# Altium PCB 2m_DBoard_RX.PcbDoc (part 1 of 3) (continued)
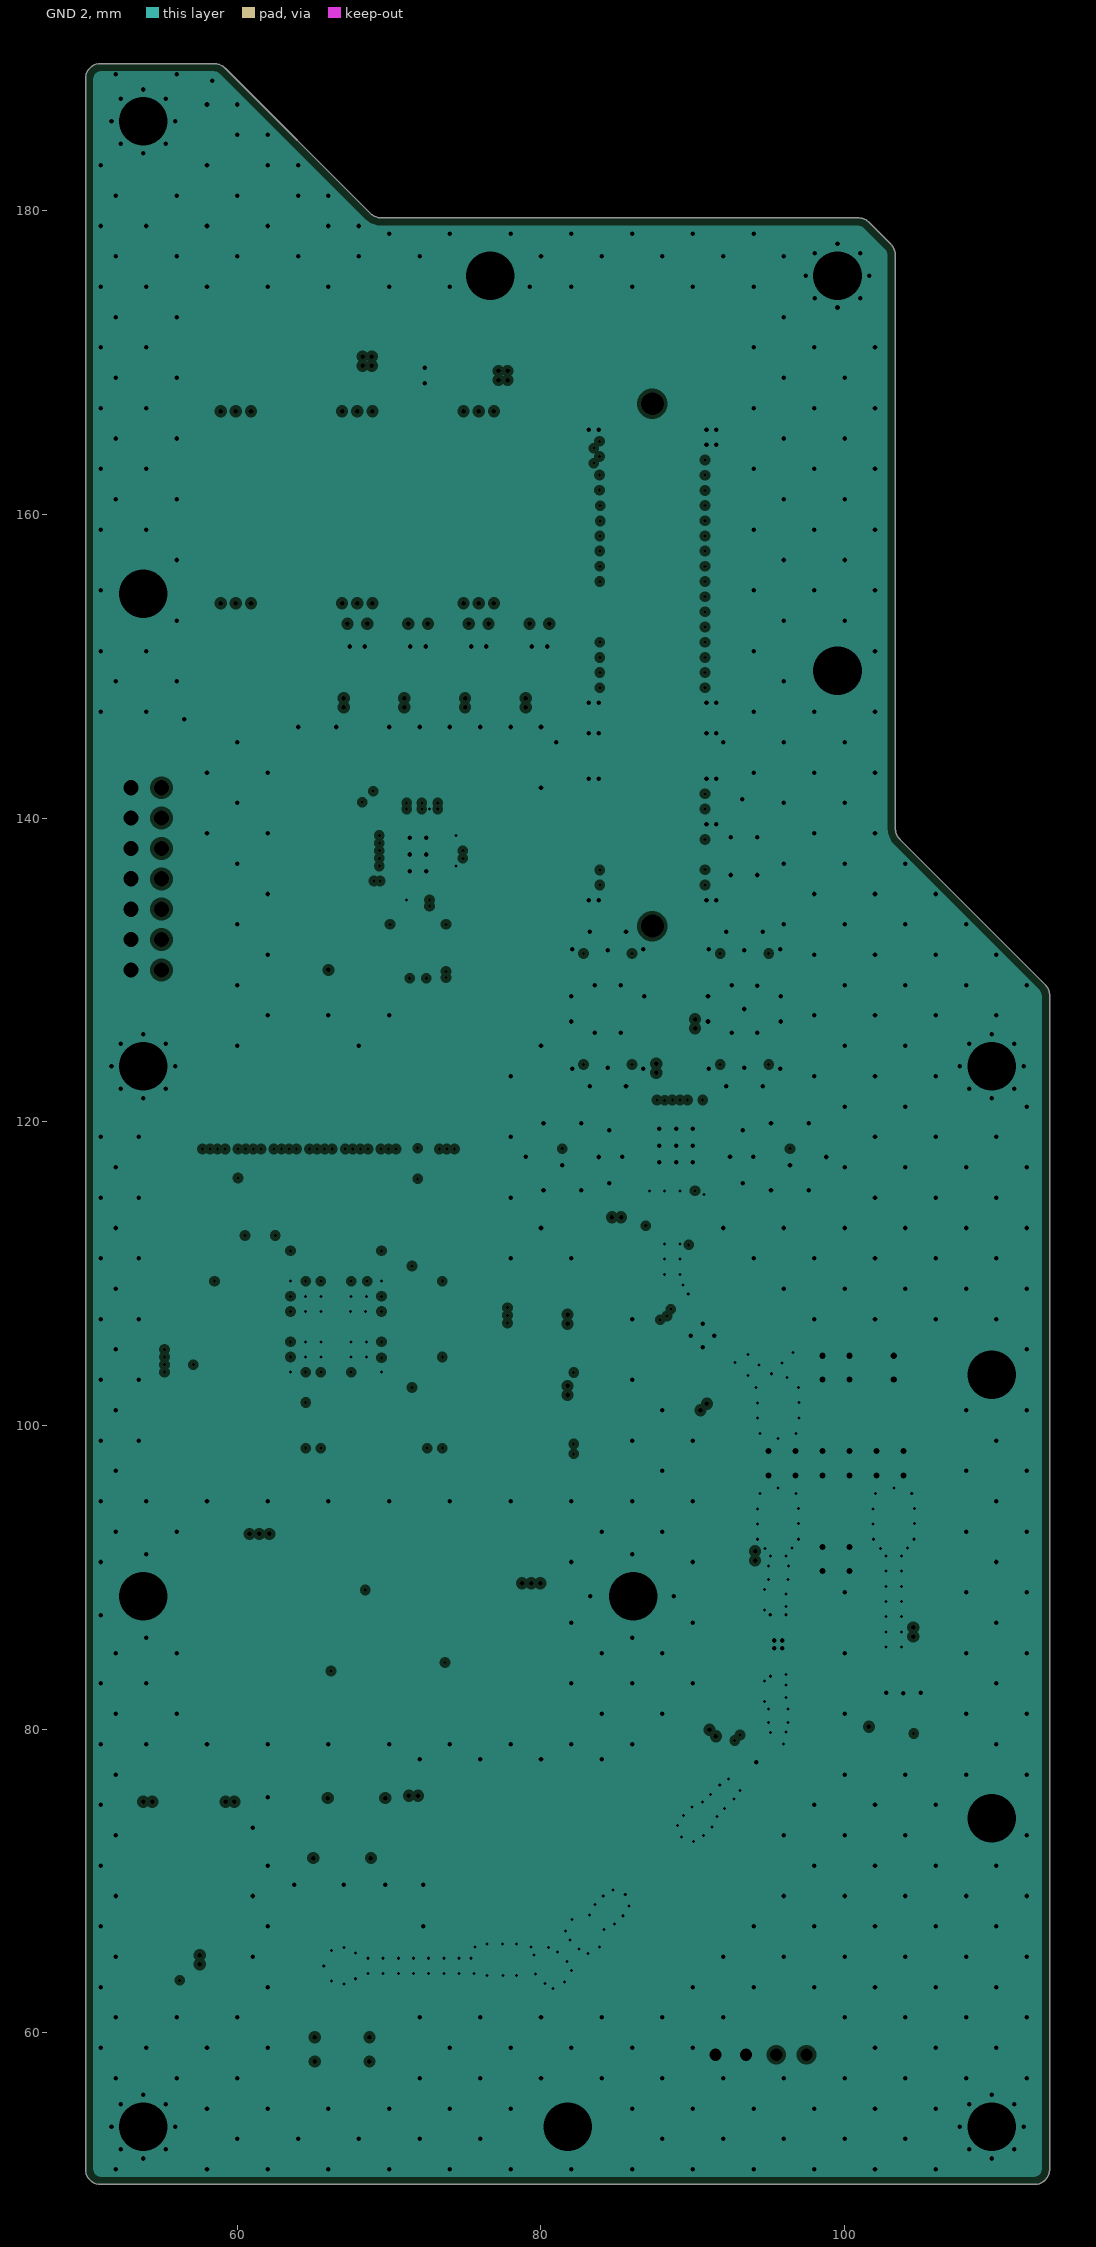
[diagram p5: GND 2, clearances drawn from the general rule]
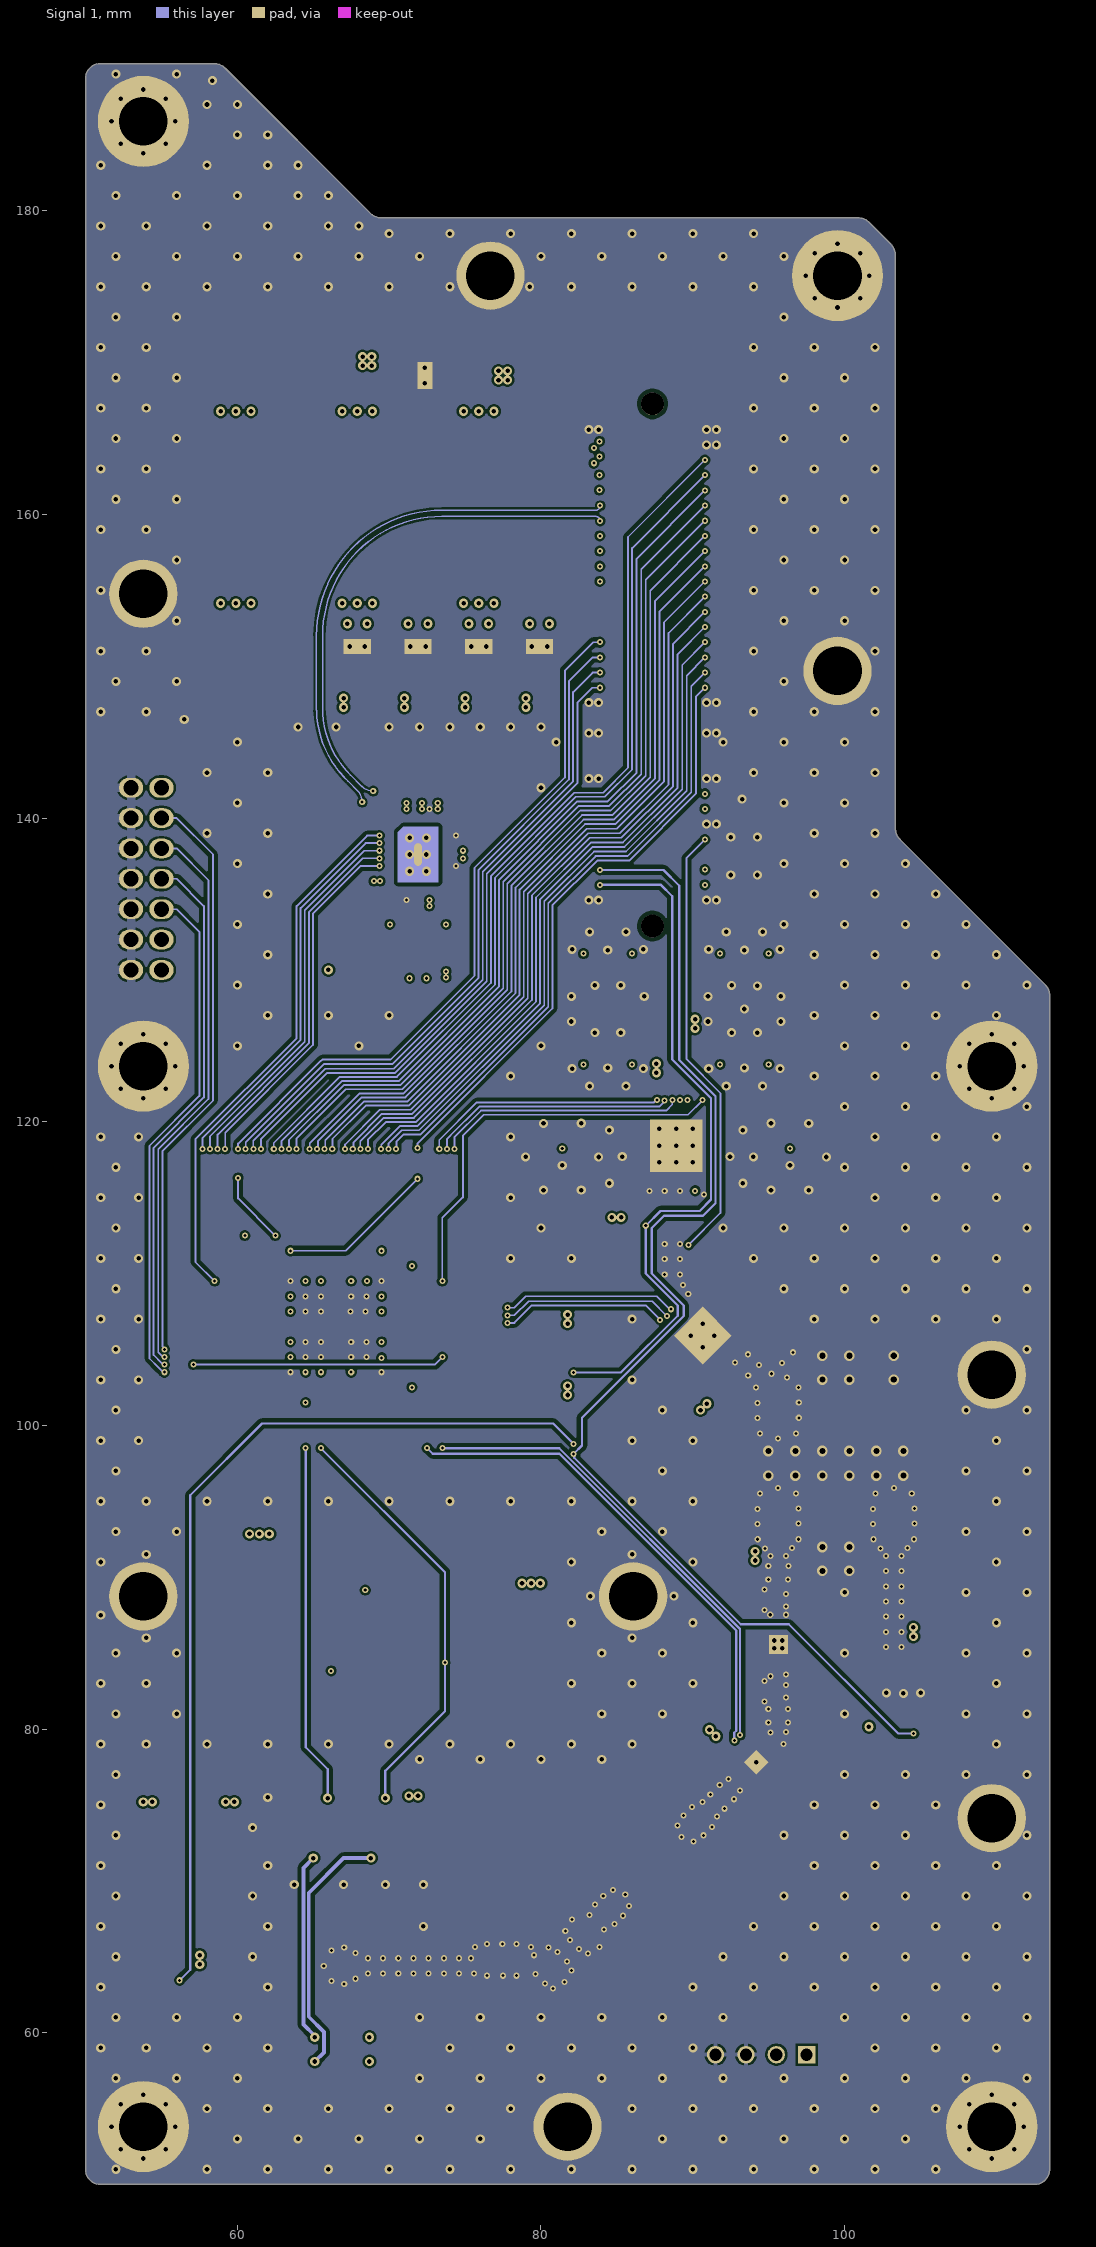
[diagram p6: Signal 1]
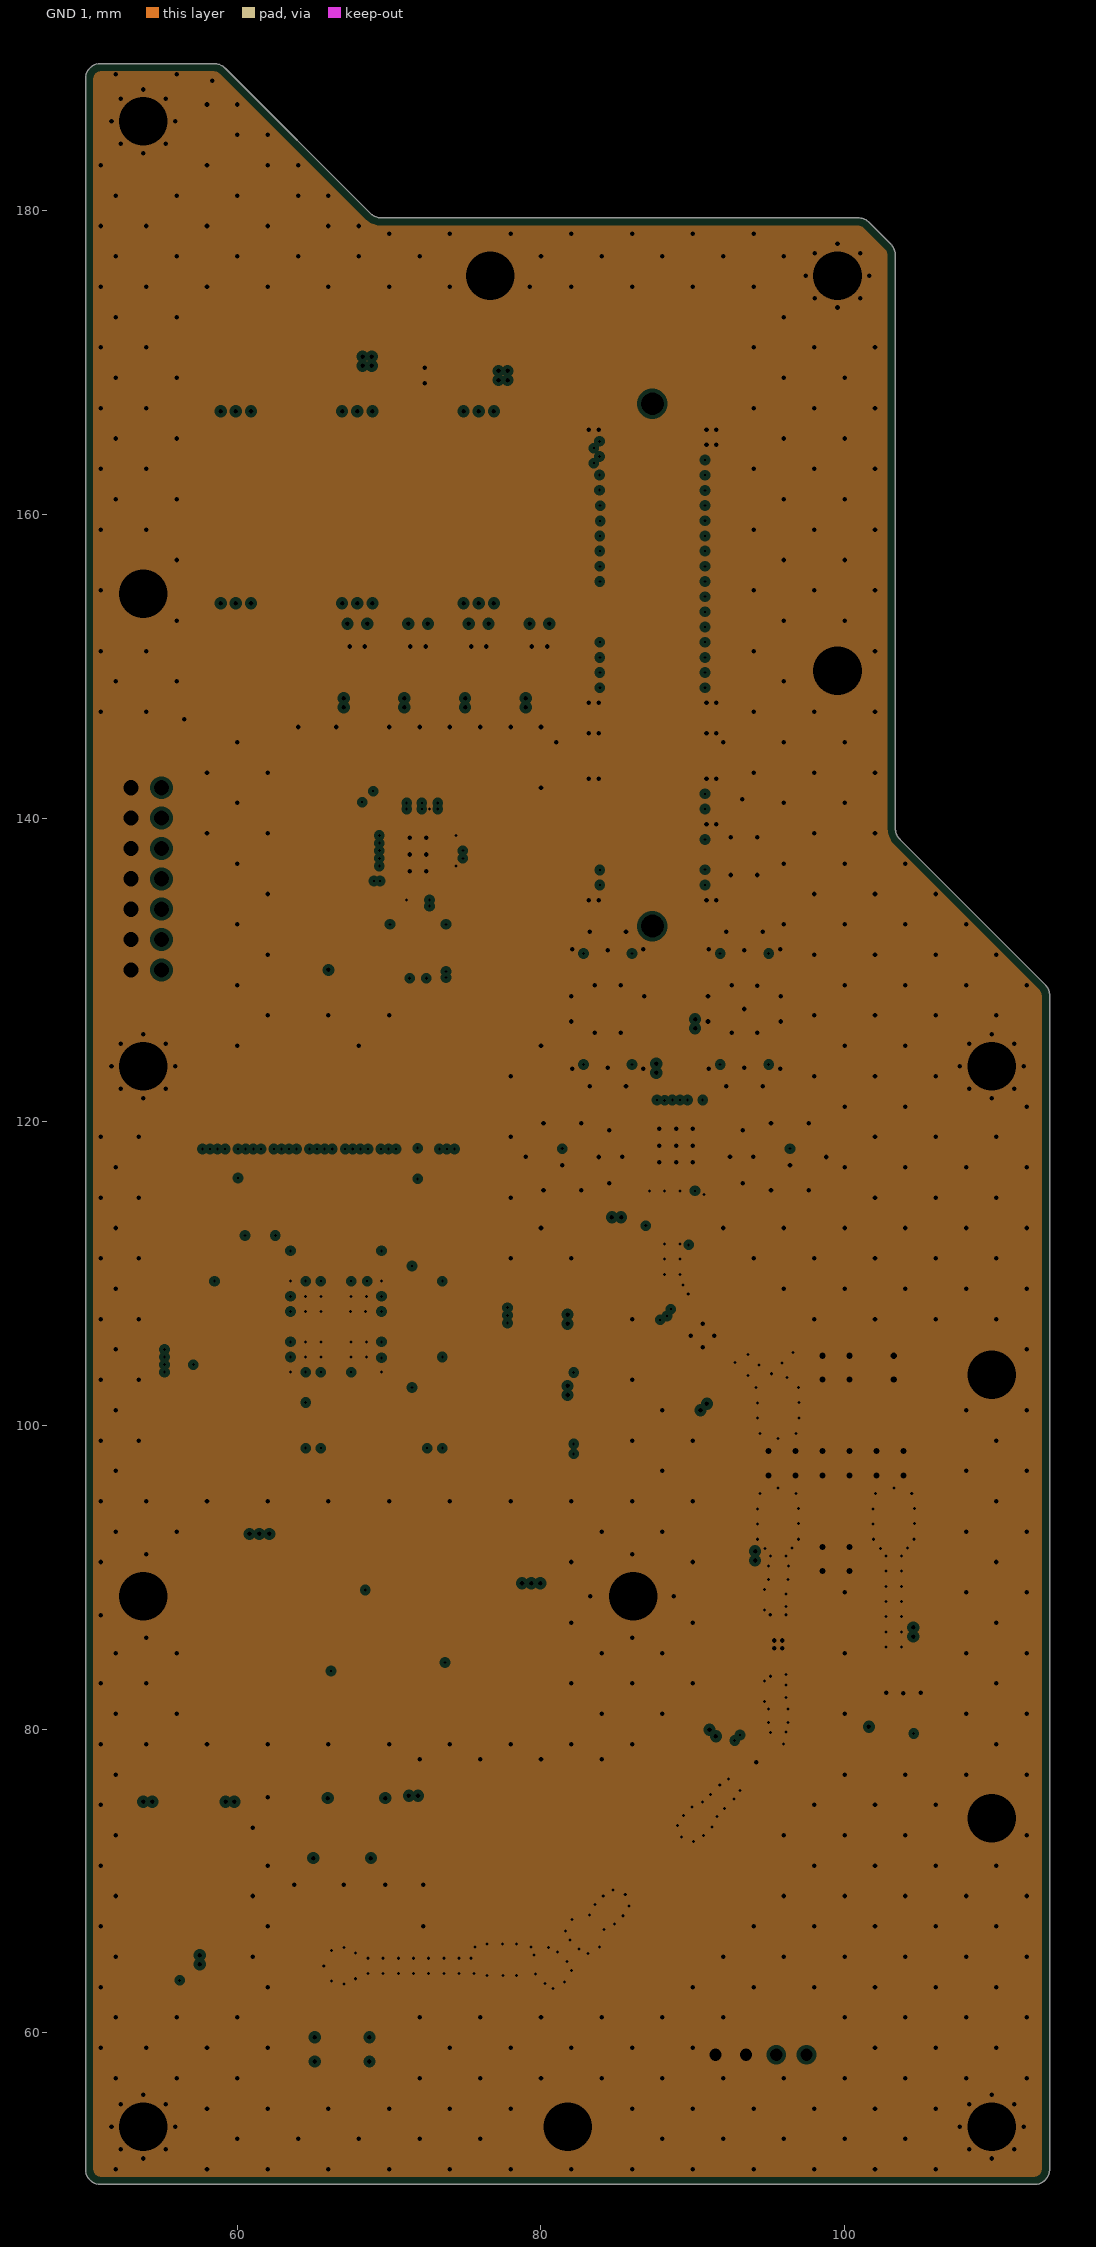
[diagram p7: GND 1, clearances drawn from the general rule]

## Layer stack, top to bottom
Top Solder: solder mask 0.0254, SM-003, Dk 4
Top RF: signal copper 0.018
Dielectric 1: prepreg 0.125, 2116 (Tg170), Dk 5.1
AGND: plane copper 0.018, net GND
Dielectric 2: core 0.3, FR-4 (Tg170), Dk 4.5
AVDD: plane copper 0.018, net (Multiple Nets)
Dielectric 3: prepreg 0.125, 2116 (Tg170), Dk 5.1
DVDD: plane copper 0.018, net (Multiple Nets)
Dielectric 4: core 0.3, FR-4 (Tg170), Dk 4.5
GND 2: plane copper 0.018, net GND
Dielectric 5: prepreg 0.125, 2116 (Tg170), Dk 5.1
Signal 1: signal copper 0.018
Dielectric 6: core 0.3, FR-4 (Tg170), Dk 4.5
GND 1: plane copper 0.018, net GND
Dielectric 7: prepreg 0.125, 2116 (Tg170), Dk 5.1
Bottom Layer: signal copper 0.018
Bottom Solder: solder mask 0.0254, SM-003, Dk 4

## Board outline
51,50 cw(c51,51) 50,51 50,188.7 cw(c51,188.7) 51,189.7 58.455,189.7 cw(c58.455,188.65) 59.197,189.392 68.743,179.848 ccw(c69.485,180.59) 69.485,179.54 100.875,179.54 cw(c100.875,178.49) 101.617,179.232 101.617,179.227 103.033,177.812 cw(c102.29,177.07) 103.34,177.07 103.34,139.335 ccw(c104.39,139.335) 103.647,138.593 113.193,129.047 cw(c112.45,128.305) 113.5,128.305 113.5,51 cw(c112.5,51) 112.5,50

## Design rules (kind name [scope] priority, off if disabled: settings)
Clearance Bottom_diff_pair_100Ohm [OnLayer('Bottom Layer') vs InDifferentialPairClass('Diff_pair_100Ohm_outter')] p1: gap=0.2 ignorepadtopadclearanceinfootprint=FALSE except(0: Arc-Hole Track-Hole SMDPad-Hole THPad-Hole Via-Hole Fill-Hole Poly-Hole Region-Hole Text-Hole; 0.14: Arc-Arc Arc-Track Track-Track; 0.15: Arc-SMDPad Arc-THPad Arc-Via Arc-Text Track-SMDPad Track-THPad Track-Via Track-Text SMDPad-SMDPad SMDPad-THPad SMDPad-Via SMDPad-Text THPad-THPad THPad-Via THPad-Text Via-Via Via-Text Fill-Text Poly-Text Region-Text Text-Text)
Clearance Top_RF_50Ohm [OnLayer('Top RF') vs InNetClass('RF_50Ohm')] p2: gap=0.15 ignorepadtopadclearanceinfootprint=FALSE except(0: Arc-Hole Track-Hole SMDPad-Hole THPad-Hole Via-Hole Fill-Hole Poly-Hole Region-Hole Text-Hole; 0.2: Arc-Fill Arc-Poly Arc-Region Track-Fill Track-Poly Track-Region SMDPad-Fill SMDPad-Poly SMDPad-Region THPad-Fill THPad-Poly THPad-Region Via-Fill Via-Poly Via-Region Fill-Fill Fill-Poly Fill-Region Poly-Poly Poly-Region Region-Region)
Clearance Signal1_diff_pair_100Ohm [OnLayer('Signal 1') vs InDifferentialPairClass('Diff_pair_100Ohm_inner')] p3: gap=0.14 ignorepadtopadclearanceinfootprint=FALSE except(0: Arc-Hole Track-Hole SMDPad-Hole THPad-Hole Via-Hole Fill-Hole Poly-Hole Region-Hole Text-Hole; 0.15: Fill-Text)
Clearance Signal1_50Ohm [OnLayer('Signal 1') vs InNet('GND')] p4: gap=0.15 ignorepadtopadclearanceinfootprint=FALSE except(0: Arc-Hole Track-Hole SMDPad-Hole THPad-Hole Via-Hole Fill-Hole Poly-Hole Region-Hole Text-Hole; 0.25: Arc-Fill Arc-Poly Arc-Region Track-Fill Track-Poly Track-Region SMDPad-Fill SMDPad-Poly SMDPad-Region THPad-Fill THPad-Poly THPad-Region Via-Fill Via-Poly Via-Region Fill-Fill Fill-Poly Fill-Region Poly-Poly Poly-Region Region-Region)
Clearance "POWER to GND" [InNetClass('POWER') vs InNet('GND')] p5: gap=0.15 ignorepadtopadclearanceinfootprint=TRUE
Clearance "POWER to POWER" [InNetClass('POWER') vs InNetClass('POWER')] p6: gap=0.254 ignorepadtopadclearanceinfootprint=TRUE except(0.15: Arc-Arc Arc-Track Arc-SMDPad Arc-THPad Arc-Via Track-Track Track-SMDPad Track-THPad Track-Via)
Clearance Not_Plated_Hole [(PadIsPlated = 'false') and OnMultiLayer] p7: gap=0.25 ignorepadtopadclearanceinfootprint=FALSE except(0: Arc-Hole Track-Hole SMDPad-Hole THPad-Hole Via-Hole Fill-Hole Poly-Hole Region-Hole Text-Hole)
Clearance HV [InNetClass('HV')] p8: gap=0.25 ignorepadtopadclearanceinfootprint=FALSE except(0: Arc-Hole Track-Hole SMDPad-Hole THPad-Hole Via-Hole Fill-Hole Poly-Hole Region-Hole Text-Hole; 0.2: SMDPad-SMDPad)
Clearance [All] p9: gap=0.1 ignorepadtopadclearanceinfootprint=FALSE except(0: Arc-Hole Track-Hole SMDPad-Hole THPad-Hole Via-Hole Fill-Hole Poly-Hole Region-Hole Text-Hole; 0.15: Arc-Fill Arc-Poly Track-Fill Track-Poly SMDPad-Fill SMDPad-Poly THPad-Fill THPad-Poly Via-Fill Via-Poly Fill-Fill Fill-Poly Fill-Region Fill-Text Poly-Poly Poly-Region Poly-Text)
DiffPairsRouting Diff_pair_100Ohm_outter_rule [InDifferentialPairClass('Diff_pair_100Ohm_outter')] p1: maxlimit=1 minlimit=0.14 mostfreqgap=0.145 toplayer_minwidth=0.11 toplayer_maxwidth=0.17 toplayer_prefwidth=0.115 midlayer4_minwidth=0.11 midlayer4_maxwidth=0.17 midlayer4_prefwidth=0.115 bottomlayer_minwidth=0.11 bottomlayer_maxwidth=0.17 bottomlayer_prefwidth=0.115 maxuncoupledlength=12.7
DiffPairsRouting Diff_pair_100Ohm_inner_rule [All] p2: maxlimit=0.3 minlimit=0.145 mostfreqgap=0.3 toplayer_maxgap=0.145 toplayer_prefgap=0.145 toplayer_minwidth=0.115 toplayer_maxwidth=0.115 toplayer_prefwidth=0.115 midlayer4_mingap=0.3 midlayer4_minwidth=0.1 midlayer4_maxwidth=0.1 midlayer4_prefwidth=0.1 bottomlayer_maxgap=0.145 bottomlayer_prefgap=0.145 bottomlayer_minwidth=0.115 bottomlayer_maxwidth=0.115 bottomlayer_prefwidth=0.115 impedanceprofiledriven=TRUE impedanceprofileid={ED31237E-C914-4582-AED7-68DF8C768021} impedanceprofilevalue=100.000000 maxuncoupledlength=12.7
HoleSize MicroMech_Vias [InPadClass('MicroMechanical')] p1: absolutevalues=TRUE maxlimit=1 minlimit=0.2 maxpercent=80.000 minpercent=20.000
HoleSize Mech_Vias [InPadClass('Mechanical')] p2: absolutevalues=TRUE maxlimit=4 minlimit=1 maxpercent=80.000 minpercent=20.000
HoleSize [All] p3: absolutevalues=TRUE maxlimit=5 minlimit=0.2 maxpercent=80.000 minpercent=20.000
HoleToHoleClearance [All] p1: gap=0.15 allowstackedmicrovias=TRUE
MinimumSolderMaskSliver [All] p1: minsoldermaskwidth=0.01
PlaneClearance [All] p1: clearance=0.254
PlaneConnect [All] p1: planeconnectstyle=Direct reliefexpansion=0.508 reliefentries=4 reliefconductorwidth=0.254 reliefairgap=0.254
PolygonConnect PolygonConnect_1 [All vs IsNamedPolygon('6V_L01_P003','_6V_FLT_L01_P015','6V_L01_P040', '3V3_L01_P014', '_3V3_L01_P013', 'GND_L01_P005', '_TPS_VOUT_L01_P011', '_3V3_FLT_L01_P012', '12V_AVDD_L01_P020', 'GND_L01_P024', 'AGND_L01_P023', '3V3_L04_P025', '_3V3_L01_P010', '_12V_TPS_L01_P040')] p1: thpad.connectstyle=Relief thpad.reliefconductorwidth=0.3 thpad.reliefentries=4 thpad.polygonreliefangle="90 Angle" thpad.airgapwidth=0.15 smdpad.connectstyle=Relief smdpad.reliefconductorwidth=0.3 smdpad.reliefentries=4 smdpad.polygonreliefangle="90 Angle" smdpad.airgapwidth=0.15 via.connectstyle=Direct via.reliefconductorwidth=0.254 via.reliefentries=4 via.polygonreliefangle="90 Angle" via.airgapwidth=0.254
PolygonConnect PolygonConnect_2 [All vs IsNamedPolygon('NONET_L01_P018', '_6V_FLT_L03_P008', '_12V_TPS_L01_P004', '6V_L01_P032')] p2: connectstyle=Direct reliefconductorwidth=0.254 reliefentries=4 polygonreliefangle="90 Angle" airgapwidth=0.254
PolygonConnect PolygonConnect_3 [All vs IsNamedPolygon('_TPS_VOUT_L01_P002')] p3: connectstyle=Relief reliefconductorwidth=0.254 reliefentries=4 polygonreliefangle="90 Angle" airgapwidth=0.254
PolygonConnect Mech_Via [InPadClass('Mechanical') or InPadClass('MicroMechanical')] p4: connectstyle=Direct reliefconductorwidth=0.254 reliefentries=4 polygonreliefangle="90 Angle" airgapwidth=0.254
PolygonConnect Shield [InPolygonClass('Shield')] p5: connectstyle=NoConnect reliefconductorwidth=0.254 reliefentries=4 polygonreliefangle="90 Angle" airgapwidth=0.15
PolygonConnect 0805 [InPadClass('0805')] p6: connectstyle=Relief reliefconductorwidth=0.5 reliefentries=4 polygonreliefangle="90 Angle" airgapwidth=0.15
PolygonConnect Power [InPadClass('Power')] p7: connectstyle=Direct reliefconductorwidth=1 reliefentries=4 polygonreliefangle="90 Angle" airgapwidth=0.15
PolygonConnect VIA [IsVia] p8: connectstyle=Direct reliefconductorwidth=0.254 reliefentries=4 polygonreliefangle="90 Angle" airgapwidth=0.15
PolygonConnect "Direct Connection" [InPadClass('Direct Connect')] p9: connectstyle=Direct reliefconductorwidth=0.254 reliefentries=4 polygonreliefangle="90 Angle" airgapwidth=0.15
PolygonConnect [All] p10: connectstyle=Relief reliefconductorwidth=0.3 reliefentries=4 polygonreliefangle="90 Angle" airgapwidth=0.15
RoutingVias [All] p1: holewidth=0.2 width=0.4 viastyle="Through Hole" minholewidth=0.2 minwidth=0.4 maxholewidth=0.5 maxwidth=1
SilkToSilkClearance [All] p1: silktosilkclearance=0.01
SilkToSolderMaskClearance [IsPad] p1: minsilkscreentomaskgap=0.01 clearancetoexposedcopper=TRUE
SolderMaskExpansion SolderMaskExpansion_via [IsVia] p1: expansion=0.102 istentingtop=TRUE
SolderMaskExpansion [InPadClass('All Pads')] p2: expansion=0.01 istentingtop=FALSE
UnRoutedNet [All] p1: checkbadconnections=TRUE
Width "RF_50Ohm width" [InNetClass('RF_50Ohm')] p1: maxlimit=0.17 minlimit=0.12 preferedwidth=0.17 toplayer_minwidth=0.17 midlayer4_maxwidth=0.12 midlayer4_prefwidth=0.12 bottomlayer_minwidth=0.17 impedanceprofiledriven=TRUE impedanceprofileid={25015F0A-BAB1-46ED-8733-2AC948B5376F} impedanceprofilevalue=50.000000 minimp=50.000000 maximp=50.000000 favimp=50.000000
Width PowerLine [InNetClass('All Nets')] p2: maxlimit=3.5 minlimit=0.1 preferedwidth=0.254 minimp=50.000000 maximp=50.000000 favimp=50.000000
Width [All] p3: maxlimit=0.5 minlimit=0.1 preferedwidth=0.15 minimp=50.000000 maximp=50.000000 favimp=50.000000
21 further rules are at their usual default settings.

## Classes and differential pairs
net class RF_50Ohm: _AVDD_RX_Injctd _IFreq_Attnd IFreq IFreq_Ampd_RX NetC1_2 NetC10_1 NetC18_1 NetC18_2 NetC25_1 NetC100_2 NetD6_5 RF_Fwd
differential pair class Diff_pair_100Ohm_inner: ref_freq_rx
differential pair class Diff_pair_100Ohm_outter: _ai_demod _aq_demod _ifi_demod _ifq_demod _mi_demod _mq_demod LO1_RX RX_IFIA RX_IFIB
net class POWER: 3V3 3V3_CVDD 5V_AVDD 5V_CVDD 5V_DEMOD 6V 12V_AVDD _3V3 _3V3_flt _6V_flt _12V_AVDD_Drpt _12V_TPS _AVDD_RX_Injctd _TPS_DISDRV _TPS_FB _TPS_VOUT GND NetC73_1 NetC73_2 NetC75_1 NetC82_2 NetD14_1 NetD14_3 NetD14_4 TPS_EN
component class RX: C1 C2 C3 C4 C5 C6 C7 C8 C10 C11 C12 C13 C14 C15 C16 C17 C18 C19 C100 D1 D2 D3 D4 D5 D6 H1 H2 L1 L2 L18 R1 R2 R3 R4 R5 R6 R7 T1 T2 X2 XW1 Z1 Z2
component class Power: C69 C70 C71 C72 C73 C74 C75 C76 C77 C78 C79 C80 C81 C82 C83 C84 C85 C86 C87 C88 C89 C90 C91 C92 C93 C94 C95 C96 C97 C98 C99 C101 D10 D11 D12 D13 D14 D15 L19 L20 L21 L22 L23 Q1 R33 R34 R35 R36 R37 R38
component class IF_RX: C20 C21 C22 C23 C24 C25 C26 C27 C28 C29 C30 C31 C32 C33 C34 C35 C36 C37 C38 C39 C40 C41 C42 C43 C44 C45 C46 C47 C48 C49 C50 C51 C52 C53 C54 C55 C56 C57 C58 C59 C60 C61 C62 C63 C64 C65 C66 C67 C68 D7 D8 D9 H3 L3 L4 L5 L6 L7 L8 L9 L10 L11 L12 L13 L14 L15 L16 L17 R8 R9 R10 R11 R12 R13 R14 R15 R16 R17 R18 R19 R20 R21 R22 R23 R24 R25 R26 R27 R28 R29 R30 R31 R32 T3
component class CPLD: C200 C201 C202 C203 C204 C205 C206 C207 C208 C209 C210 C211 C212 C213 C214 C215 C216 C217 C218 C219 D16 R79 R80 R81 R82 R84 R85 R86 R87 R88 R89 R90 R91 X3
differential pair LO1_RX: +LO1_RX_p -LO1_RX_n
differential pair _mq_demod: +_mq_demod_p -_mq_demod_n
differential pair _mi_demod: +_mi_demod_p -_mi_demod_n
differential pair _ifq_demod: +_ifq_demod_p -_ifq_demod_n
differential pair _ifi_demod: +_ifi_demod_p -_ifi_demod_n
differential pair _aq_demod: +_aq_demod_p -_aq_demod_n
differential pair _ai_demod: +_ai_demod_p -_ai_demod_n
differential pair ref_freq_rx: +ref_freq_rx_p -ref_freq_rx_n
differential pair RX_IFIB: +RX_IFIB_P -RX_IFIB_N
differential pair RX_IFIA: +RX_IFIA_P -RX_IFIA_N

## Components (designator, comment, footprint, x,y, rotation, side; value= is the part's Value field where it differs from the comment)
C1 "CAP" C1206 81.8,65.4 r45 top value=0.1uF
C2 "CAP" C0402#1 82.25,101.45 r0 top value=0.1uF
C3 "CAP" C0402#1 105.025,80.15 r180 top value=0.1uF
C4 "CAP" C0402#1 55.725,64.9 r0 top value=0.1uF
C5 "CAP" C0402#1 55.725,65.7 r0 top value=100pF
C6 "CAP" C0402#1 58.025,65.7 r180 top value=0.1uF
C7 "CAP" C0402#1 105.025,85.413 r180 top value=0.1uF
C8 "CAP" C0402#1 105.025,84.55 r180 top value=100pF
C9 "CAP" C0402#1 85.385,162.095 r270 top value=10nF
C10 "CAP" C0402#1 95.625,80.875 r90 top value=100pF
C11 "CAP" C0402#1 91.575,78.765 r45 top value=10nF
C12 "CAP" C0402#1 72.5,75.1 r270 top value=10nF
C13 "CAP" C0402#1 55,75.7 r90 top value=10nF
C14 "CAP" C0402#1 93.6,90.5 r0 top value=10nF
C15 "CAP" C0402#1 93.596,89.627 r0 top value=10pF
C16 "CAP" C0402#1 97.5,61.75 r270 bottom value=10nF
C17 "CAP" C0402#1 95.5,61.75 r270 bottom value=10nF
C18 "CAP" C0402#1 95.63,90.308 r90 top value=100pF
C19 "CAP" C0402#1 91.691,101.48 r135 top value=10nF
C20 "CAP" C0402#1 96.9,116.625 r90 top value=10pF
C21 "CAP" C0402#1 96.9,118.725 r270 top value=22pF
C22 "CAP" C0402#1 95.9,116.625 r270 top value=10pF
C23 "CAP" C0402#1 95.9,118.725 r90 top value=22pF
C24 "CAP" C0402#1 88.15,108.975 r180 top value=0.1pF
C25 "CAP" C0402#1 88.15,114.607 r180 top value=3.1pF
C26 "CAP" C0402#1 90.225,114.625 r0 top value=1000pF
C27 "CAP" C0402#1 88.65,113.018 r270 top value=1000pF
C28 "CAP" C0402#1 80.9,116.625 r90 top value=10pF
C29 "CAP" C0402#1 80.9,118.725 r270 top value=22pF
C30 "CAP" C0402#1 88.475,122.125 r180 bottom value=0.3pF
C31 "CAP" C0402#1 90.325,122.125 r0 bottom value=0.3pF
C32 "CAP" C0402#1 81.9,116.625 r270 top value=10pF
C33 "CAP" C0402#1 81.9,118.725 r90 top value=22pF
C34 "CAP" C0402#1 88.1,122.65 r0 top value=1uF
C35 "CAP" C0402#1 86.4,114.6 r180 top value=10nF
C36 "CAP" C0402#1 89.65,123.613 r180 top value=1000pF
C37 "CAP" C0805 89.036,125.115 r0 top value=4.7uF
C38 "CAP" C0402#1 92.3,124.275 r0 top value=12pF
C39 "CAP" C0402#1 92.3,130.575 r0 top value=22pF
C40 "CAP" C0402#1 92.3,127.425 r0 top value=39pF
C41 "CAP" C0402#1 94.5,127.425 r0 top value=39pF
C42 "CAP" C0402#1 94.5,124.275 r0 top value=12pF
C43 "CAP" C0402#1 94.5,130.575 r0 top value=22pF
C44 "CAP" C0402#1 74.25,130.4 r180 top value=0.1uF
C45 "CAP" C0402#1 74.25,131.2 r180 top value=100pF
C46 "CAP" C0402#1 72.45,130.45 r270 top value=270pF
C47 "CAP" C0402#1 71.35,130.45 r270 top value=270pF
C48 "CAP" C0402#1 83.3,124.275 r0 top value=12pF
C49 "CAP" C0402#1 83.3,130.575 r0 top value=22pF
C50 "CAP" C0402#1 83.3,127.425 r0 top value=39pF
C51 "CAP" C0603 76.15,137.6 r180 bottom value=2.2uF
C52 "CAP" C0603 75.85,135.15 r90 top value=8.2nF
C53 "CAP" C0402#1 85.5,127.425 r0 top value=39pF
C54 "CAP" C0402#1 85.5,124.275 r0 top value=12pF
C55 "CAP" C0603 72.788,143.1 r270 top value=2200pF
C56 "CAP" C0402#1 85.5,130.575 r0 top value=22pF
C57 "CAP" C0805 77.5,135.45 r90 top value=0.11uF
C58 "CAP" C0402#1 71.65,142.607 r0 bottom value=1uF
C59 "CAP" C0402#1 71.65,141.7 r0 bottom value=10nF
C60 "CAP" C0402#1 73.15,135.2 r180 bottom value=10nF
C61 "CAP" C0402#1 68.35,138.35 r270 top value=10nF
C62 "CAP" C0402#1 82.25,106.15 r0 top value=0.1uF
C63 "CAP" C0402#1 73.7,140 r0 bottom value=10nF
C64 "CAP" C0402#1 75.131,139.85 r270 top value=1uF
C65 "CAP" C0402#1 73.943,133.869 r0 top value=1uF
C66 "CAP" C0402#1 70.65,140 r0 bottom value=0.1uF
C67 "CAP" C0402#1 68.35,135.85 r90 top value=0.1uF
C68 "CAP" C0402#1 70,136.35 r270 bottom value=0.1uF
C69 "CAP" C0402#1 63.7,84.55 r270 top value=0.1uF
C70 "CAP" C0603 62.75,87.85 r180 top value=220pF
C71 "CAP" C0402#1 62.55,89.05 r180 top value=0.1uF
C72 "CAP uF" C1210 62.95,91.05 r180 top value=47uF
C73 "CAP" C0402#1 75.9,83.775 r0 top value=0.1uF
C74 "CAP uF" C0805 74.2,81.9 r270 top value=22uF
C75 "CAP" C0603 72.5,81.925 r270 top value=4.7uF
C76 "CAP" C0805 67.9,148.9 r0 top value=1uF
C77 "CAP" C0402#1 77.4,164.65 r180 top value=0.1uF
C78 "CAP" C0603 77.6,165.8 r180 top value=220pF
C79 "CAP" C0402#1 77.4,159.35 r180 top value=0.1uF
C80 "CAP" C0603 77.6,158.2 r180 top value=220pF
C81 "CAP uF" C1210 77.45,156 r180 top value=100uF
C82 "CAP" C0603 71.9,90.525 r270 top value=2.2nF
C83 "CAP" C0805 71.9,148.9 r0 top value=1uF
C84 "CAP uF" C0805 65.2,84.7 r270 top value=22uF
C85 "CAP uF" C0805 70.7,86.75 r270 top value=10uF
C86 "CAP" C0402#1 71.075,84.275 r270 top value=22nF
C87 "CAP" C0805 79.9,148.9 r0 top value=1uF
C88 "CAP" C0402#1 69.4,164.65 r180 top value=0.1uF
C89 "CAP" C0603 69.6,165.8 r180 top value=220pF
C90 "CAP" C0402#1 69.4,159.35 r180 top value=0.1uF
C91 "CAP" C0603 69.6,158.2 r180 top value=220pF
C92 "CAP uF" C1210 69.45,156 r180 top value=100uF
C93 "CAP uF" C1210 75.45,170.7 r270 top value=47uF
C94 "CAP" C0805 70.1,170.989 r90 top value=1uF